# Allegro board arena_12-12_v5.brd (continued)
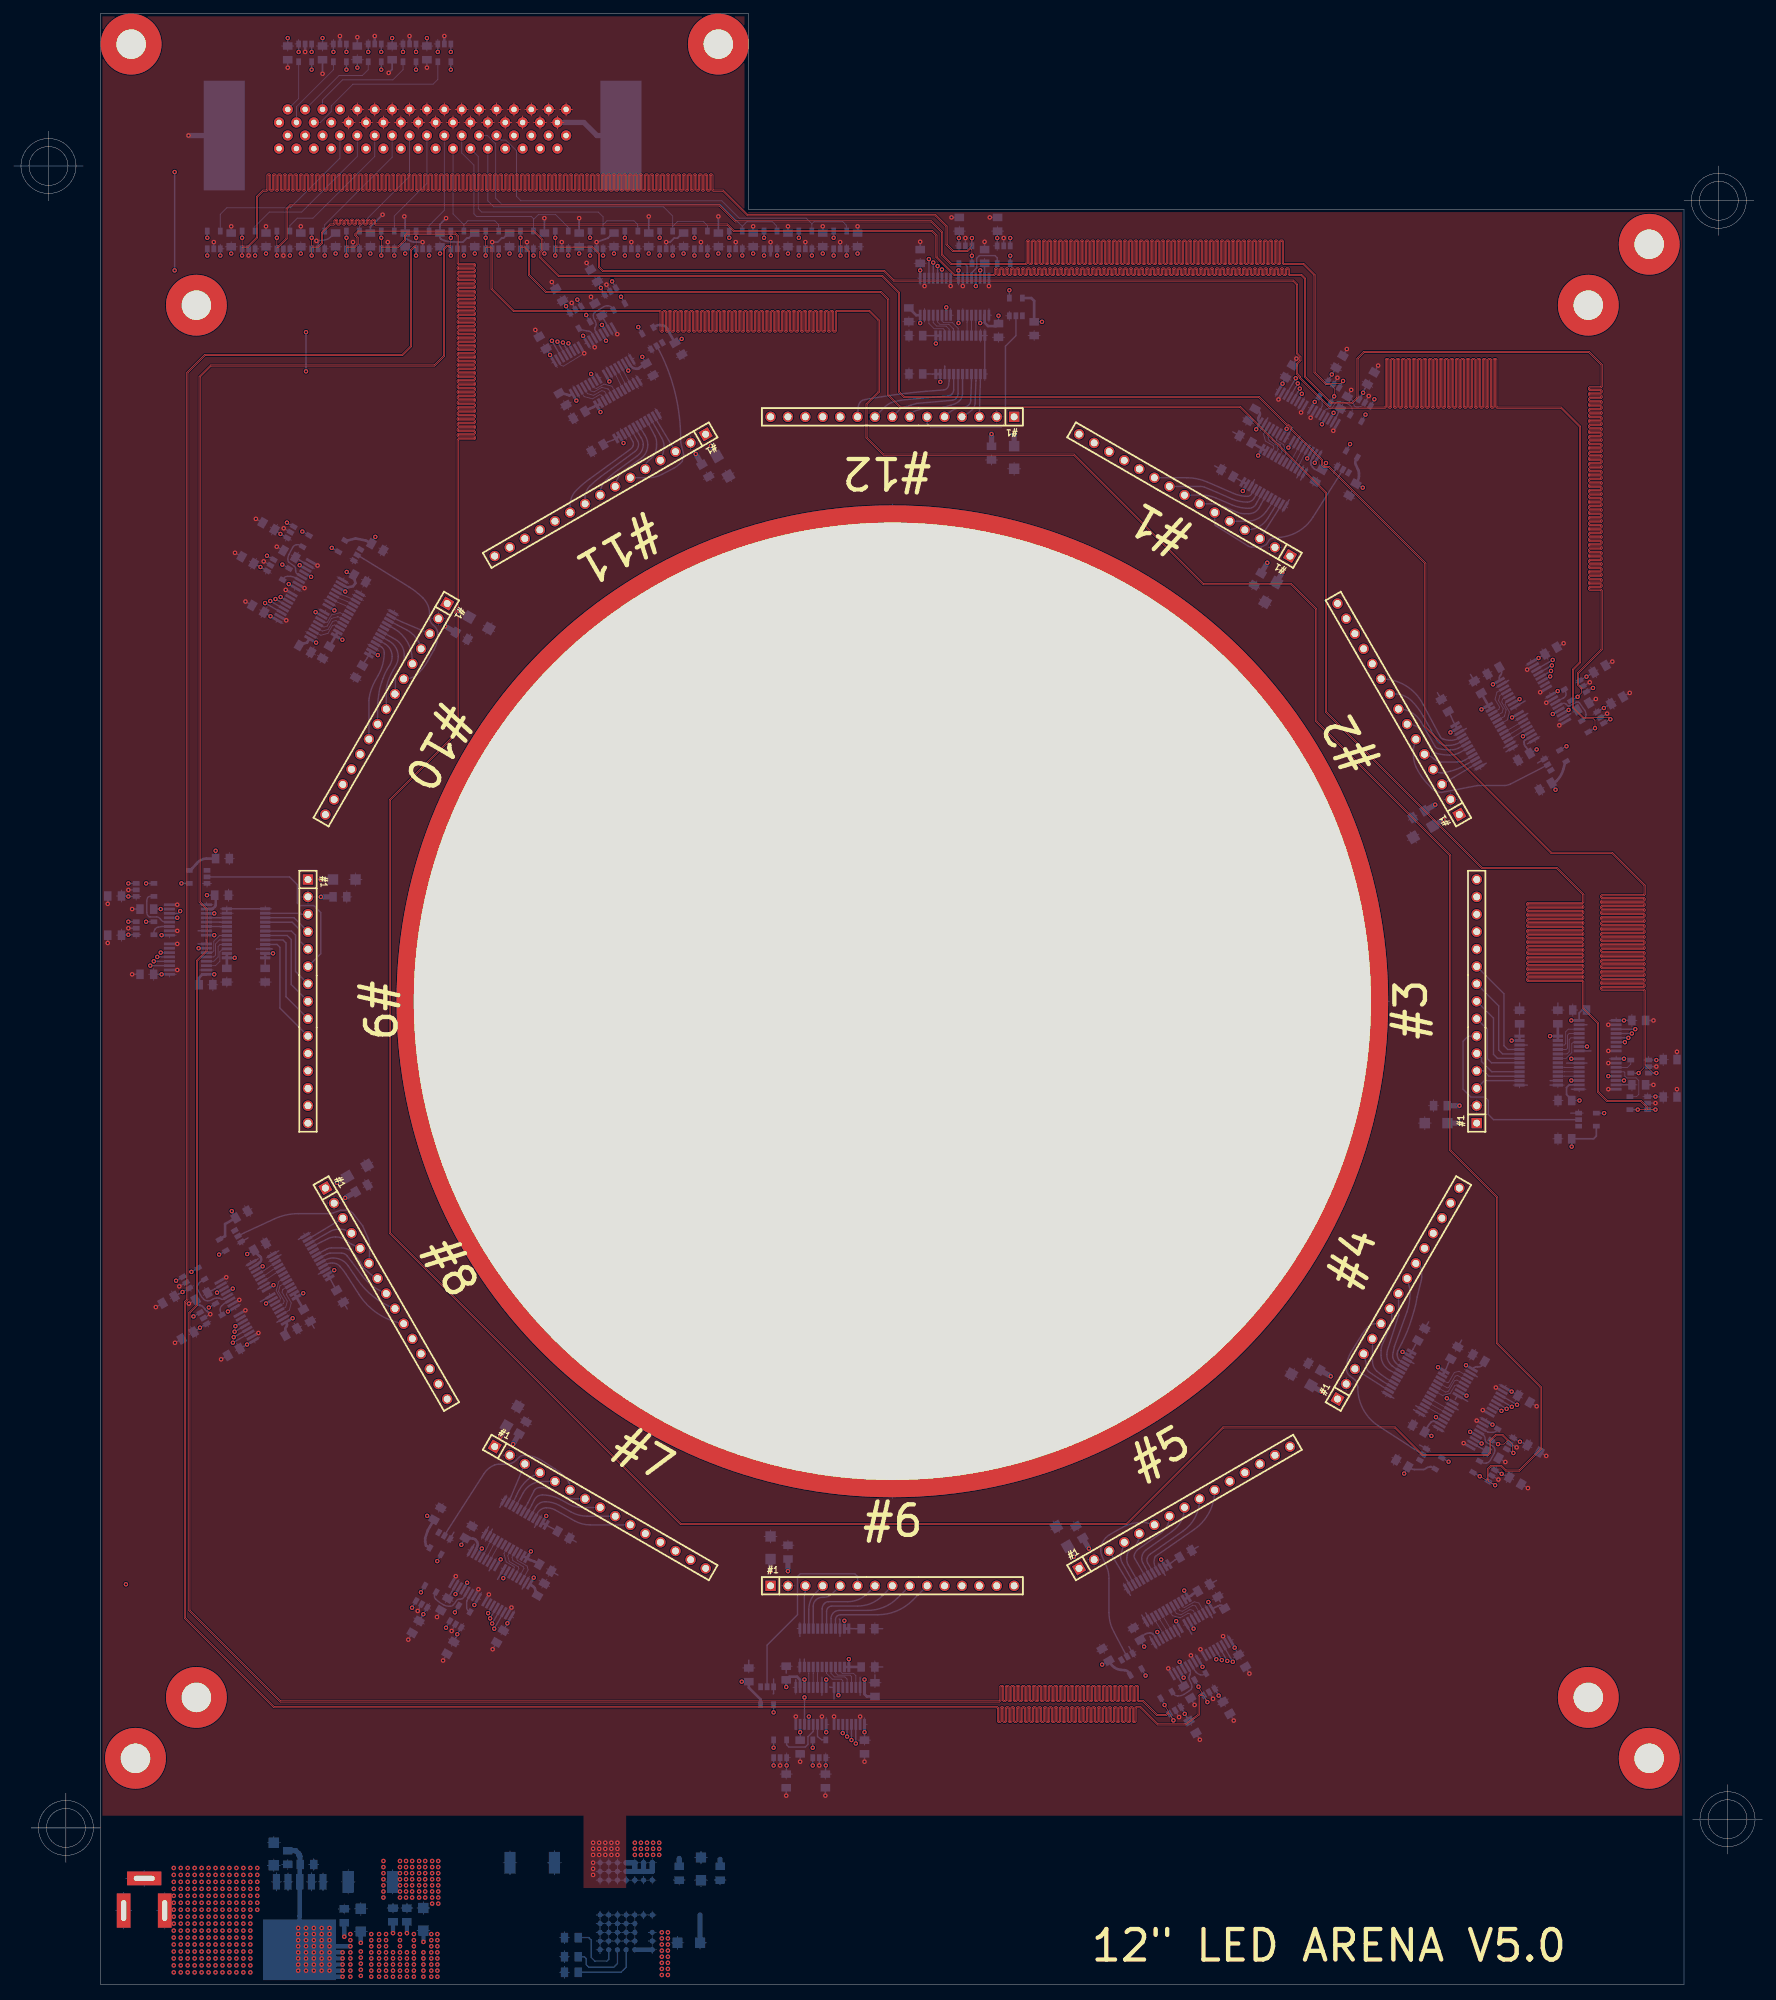
[diagram p0: board, top side]
## Routing (per net, layer and track width the routed paths; a pad name or vN(x,y) marks a point on that pad's centre or on a via; arc(x,y) is an arc through that point) (continued)
S3_P: length 475.9
  PWR w0.089: v1(99.38,254.95) 99.38,254.06 99.7,253.74 100.45,253.74 100.53,253.82 100.54,253.82 100.83,254.11 100.83,254.12 101.73,255.02 101.73,256.79 102.5,257.56 105.03,257.56 106.43,258.95 106.43,275.59 104.39,277.62 85.22,277.62 83.06,279.78 67.18,279.78 65.79,278.38 62.87,278.38 62.23,279.02 62.23,280.67 62.87,281.3 62.87,282.32 61.98,283.21 47.63,283.21 47.37,282.96 47.37,277.62 46.36,276.61 19.69,276.61 16.26,273.18 16.26,233.68 18.16,231.77 18.16,226.93 18.22,226.86 19.52,226.86 19.69,226.69 19.69,226.46 19.52,226.29 18.22,226.29 18.16,226.23 18.16,226.14 18.22,226.08 19.52,226.08 19.69,225.91 19.69,225.67 19.52,225.5 18.22,225.5 18.16,225.44 18.16,225.35 18.22,225.29 19.52,225.29 19.69,225.12 19.69,224.88 19.52,224.72 18.22,224.72 18.16,224.65 18.16,224.56 18.22,224.5 19.52,224.5 19.69,224.33 19.69,224.1 19.52,223.93 18.22,223.93 18.16,223.87 18.16,223.78 18.22,223.71 19.52,223.71 19.69,223.55 19.69,223.31 19.52,223.14 18.22,223.14 18.16,223.08 18.16,222.99 18.22,222.93 19.52,222.93 19.69,222.76 19.69,222.52 19.52,222.35 18.22,222.35 18.16,222.29 18.16,222.2 18.22,222.14 19.52,222.14 19.69,221.97 19.69,221.73 19.52,221.57 18.22,221.57 18.16,221.5 18.16,221.41 18.22,221.35 19.52,221.35 19.69,221.18 19.69,220.95 19.52,220.78 18.22,220.78 18.16,220.72 18.16,220.63 18.22,220.56 19.52,220.56 19.69,220.4 19.69,220.16 19.52,219.99 18.22,219.99 18.16,219.93 18.16,219.84 18.22,219.78 19.52,219.78 19.69,219.61 19.69,219.37 19.52,219.2 18.22,219.2 18.16,219.14 18.16,219.05 18.22,218.99 19.52,218.99 19.69,218.82 19.69,218.58 19.52,218.42 18.22,218.42 18.16,218.35 18.16,218.26 18.22,218.2 19.52,218.2 19.69,218.03 19.69,217.8 19.52,217.63 18.22,217.63 18.16,217.57 18.16,217.48 18.22,217.41 19.52,217.41 19.69,217.25 19.69,217.01 19.52,216.84 18.22,216.84 18.16,216.78 18.16,216.69 18.22,216.63 19.52,216.63 19.69,216.46 19.69,216.22 19.52,216.05 18.22,216.05 18.16,215.99 18.16,215.9 18.22,215.84 19.52,215.84 19.69,215.67 19.69,215.44 19.52,215.27 18.22,215.27 18.16,215.2 18.16,215.12 18.22,215.05 19.52,215.05 19.69,214.88 19.69,214.65 19.52,214.48 18.22,214.48 18.16,214.42 18.16,214.33 18.22,214.26 19.52,214.26 19.69,214.1 19.69,213.86 19.52,213.69 18.22,213.69 18.16,213.63 18.16,213.54 18.22,213.48 19.52,213.48 19.69,213.31 19.69,213.07 19.52,212.91 18.22,212.91 18.16,212.84 18.16,212.75 18.22,212.69 19.52,212.69 19.69,212.52 19.69,212.29 19.52,212.12 18.22,212.12 18.16,212.05 18.16,211.97 18.22,211.9 19.52,211.9 19.69,211.73 19.69,211.5 19.52,211.33 18.22,211.33 18.16,211.27 18.16,211.18 18.22,211.11 19.52,211.11 19.69,210.95 19.69,210.71 19.52,210.54 18.22,210.54 18.16,210.48 18.16,210.39 18.22,210.33 19.52,210.33 19.69,210.16 19.69,209.92 19.52,209.76 18.22,209.76 18.16,209.69 18.16,209.6 18.22,209.54 19.52,209.54 19.69,209.37 19.69,209.14 19.52,208.97 18.22,208.97 18.16,208.9 18.16,208.82 18.22,208.75 19.52,208.75 19.69,208.58 19.69,208.35 19.52,208.18 18.22,208.18 18.16,208.12 18.16,208.03 18.22,207.97 19.52,207.97 19.69,207.8 19.69,207.56 19.52,207.39 18.22,207.39 18.16,207.33 18.16,207.24 18.22,207.18 19.52,207.18 19.69,207.01 19.69,206.77 19.52,206.61 18.22,206.61 18.16,206.54 18.16,206.45 18.22,206.39 19.52,206.39 19.69,206.22 19.69,205.99 19.52,205.82 18.22,205.82 18.16,205.76 18.16,205.67 18.22,205.6 19.52,205.6 19.69,205.44 19.69,205.2 19.52,205.03 18.22,205.03 18.16,204.97 18.16,204.88 18.22,204.82 19.52,204.82 19.69,204.65 19.69,204.41 19.52,204.24 18.22,204.24 18.16,204.18 18.16,204.09 18.22,204.03 19.52,204.03 19.69,203.86 19.69,203.62 19.52,203.46 18.22,203.46 18.16,203.39 18.16,203.3 18.22,203.24 19.52,203.24 19.69,203.07 19.69,202.84 19.52,202.67 18.22,202.67 18.16,202.61 18.16,202.52 18.22,202.45 19.52,202.45 19.69,202.29 19.69,202.05 19.52,201.88 18.22,201.88 18.16,201.82 18.16,201.73 18.22,201.67 19.52,201.67 19.69,201.5 19.69,201.26 19.52,201.09 18.22,201.09 18.16,201.03 18.16,200.94 18.22,200.88 19.52,200.88 19.69,200.71 19.69,200.47 19.52,200.31 18.22,200.31 18.16,200.24 18.16,200.15 18.22,200.09 19.52,200.09 19.69,199.92 19.69,199.69 19.52,199.52 18.22,199.52 18.16,199.46 18.16,199.37 18.22,199.3 19.52,199.3 19.69,199.14 19.69,198.9 19.52,198.73 18.22,198.73 18.16,198.67 18.16,198.58 18.22,198.52 19.52,198.52 19.69,198.35 19.69,198.11 19.52,197.94 18.22,197.94 18.16,197.88 18.16,197.79 18.22,197.73 19.52,197.73 19.69,197.56 19.69,197.32 19.52,197.16 18.22,197.16 18.16,197.09 18.16,197 18.22,196.94 19.52,196.94 19.69,196.77 19.69,196.54 19.52,196.37 18.22,196.37 18.16,196.31 18.16,196.22 18.22,196.15 19.52,196.15 19.69,195.99 19.69,195.75 19.52,195.58 18.22,195.58 18.16,195.52 18.16,195.43 18.22,195.37 19.52,195.37 19.69,195.2 19.69,194.96 19.52,194.8 18.22,194.8 18.16,194.73 18.16,194.64 18.22,194.58 19.52,194.58 19.69,194.41 19.69,194.18 19.52,194.01 18.22,194.01 18.16,193.94 18.16,193.86 18.22,193.79 19.52,193.79 19.69,193.62 19.69,193.39 19.52,193.22 18.22,193.22 18.16,193.16 18.16,193.07 18.22,193 19.52,193 19.69,192.84 19.69,192.6 19.52,192.43 18.22,192.43 18.16,192.37 18.16,192.28 18.22,192.22 19.52,192.22 19.69,192.05 19.69,191.81 19.52,191.65 18.22,191.65 18.16,191.58 18.16,191.49 18.22,191.43 19.52,191.43 19.69,191.26 19.69,191.03 19.52,190.86 18.22,190.86 18.16,190.79 18.16,190.71 18.22,190.64 19.52,190.64 19.69,190.47 19.69,190.24 19.52,190.07 18.22,190.07 18.16,190.01 18.16,189.92 18.22,189.85 19.52,189.85 19.69,189.69 19.69,189.45 19.52,189.28 18.22,189.28 18.16,189.22 18.16,189.13 18.22,189.07 19.52,189.07 19.69,188.9 19.69,188.66 19.52,188.5 18.22,188.5 18.16,188.43 18.16,188.34 18.22,188.28 19.52,188.28 19.69,188.11 19.69,187.88 19.52,187.71 18.22,187.71 18.16,187.65 18.16,187.56 18.22,187.49 19.52,187.49 19.69,187.32 19.69,187.09 19.52,186.92 18.22,186.92 18.16,186.86 18.16,186.77 18.22,186.71 19.52,186.71 19.69,186.54 19.69,186.3 19.52,186.13 18.22,186.13 18.16,186.07 18.16,185.98 18.22,185.92 19.52,185.92 19.69,185.75 19.69,185.51 19.52,185.35 18.22,185.35 18.16,185.28 18.16,185.19 18.22,185.13 19.52,185.13 19.69,184.96 19.69,184.73 19.52,184.56 18.22,184.56 18.16,184.5 18.16,184.41 18.22,184.34 19.52,184.34 19.69,184.18 19.69,183.94 19.52,183.77 18.22,183.77 18.16,183.71 18.16,183.62 18.22,183.56 19.52,183.56 19.69,183.39 19.69,183.15 19.52,182.98 18.22,182.98 18.16,182.92 18.16,182.83 18.22,182.77 19.52,182.77 19.69,182.6 19.69,182.36 19.52,182.2 18.22,182.2 18.16,182.13 18.16,182.04 18.22,181.98 19.52,181.98 19.69,181.81 19.69,181.58 19.52,181.41 18.22,181.41 18.16,181.35 18.16,181.26 18.22,181.19 19.52,181.19 19.69,181.03 19.69,180.79 19.52,180.62 18.22,180.62 18.16,180.56 18.16,180.47 18.22,180.41 19.52,180.41 19.69,180.24 19.69,180 19.52,179.83 18.22,179.83 18.16,179.77 18.16,179.68 18.22,179.62 19.52,179.62 19.69,179.45 19.69,179.21 19.52,179.05 18.22,179.05 18.16,178.98 18.16,178.89 18.22,178.83 19.52,178.83 19.69,178.66 19.69,178.43 19.52,178.26 18.22,178.26 18.16,178.2 18.16,178.11 18.22,178.04 19.52,178.04 19.69,177.88 19.69,177.64 19.52,177.47 18.22,177.47 18.16,177.41 18.16,177.32 18.22,177.26 19.52,177.26 19.69,177.09 19.69,176.85 19.52,176.68 18.22,176.68 18.16,176.62 18.16,176.53 18.22,176.47 19.52,176.47 19.69,176.3 19.69,176.07 19.52,175.9 18.22,175.9 18.16,175.83 18.16,175.75 18.22,175.68 19.52,175.68 19.69,175.51 19.69,175.28 19.52,175.11 18.22,175.11 18.16,175.05 18.16,174.96 18.22,174.89 19.52,174.89 19.69,174.73 19.69,174.49 19.52,174.32 18.22,174.32 18.16,174.26 18.16,174.17 18.22,174.11 19.52,174.11 19.69,173.94 19.69,173.7 19.52,173.54 18.22,173.54 18.16,173.47 18.16,173.38 18.22,173.32 19.52,173.32 19.69,173.15 19.69,172.92 19.52,172.75 18.22,172.75 18.16,172.68 18.16,172.6 18.22,172.53 19.52,172.53 19.69,172.36 19.69,172.13 19.52,171.96 18.22,171.96 18.16,171.9 18.16,171.81 18.22,171.74 19.52,171.74 19.69,171.58 19.69,171.34 19.52,171.17 18.22,171.17 18.16,171.11 18.16,171.02 18.22,170.96 19.52,170.96 19.69,170.79 19.69,170.55 19.52,170.39 18.22,170.39 18.16,170.32 18.16,170.23 18.22,170.17 19.52,170.17 19.69,170 19.69,169.77 19.52,169.6 18.22,169.6 18.16,169.53 18.16,169.45 18.22,169.38 19.52,169.38 19.69,169.21 19.69,168.98 19.52,168.81 18.22,168.81 18.16,168.75 18.16,168.66 18.22,168.6 19.52,168.6 19.69,168.43 19.69,168.19 19.52,168.02 18.22,168.02 18.16,167.96 18.16,167.87 18.22,167.81 19.52,167.81 19.69,167.64 19.69,167.4 19.52,167.24 18.22,167.24 18.16,167.17 18.16,167.08 18.22,167.02 19.52,167.02 19.69,166.85 19.69,166.62 19.52,166.45 18.22,166.45 18.16,166.39 18.16,166.3 18.22,166.23 19.52,166.23 19.69,166.07 19.69,165.83 19.52,165.66 18.22,165.66 18.16,165.6 18.16,165.51 18.22,165.45 19.52,165.45 19.69,165.28 19.69,165.04 19.52,164.87 18.22,164.87 18.16,164.81 18.16,162.81 18.54,162.43 20.32,162.43 20.96,161.8 20.96,159.64 20.57,159.26 18.54,159.26 18.29,159.51 18.29,160.15 17.72,160.72 v1(16.74,160.72)
  BOTTOM w0.203: U56.3 v1(16.74,160.72) ; U55.4 v1(99.38,254.95)
S4_N: length 457.7
  PWR w0.089: v1(109.54,252.36) 109.54,253.17 109.22,253.49 107.69,253.49 107.04,252.84 107.04,226.64 107.1,226.58 128.1,226.58 128.27,226.41 128.27,226.17 128.1,226 107.1,226 107.04,225.94 107.04,225.85 107.1,225.79 128.1,225.79 128.27,225.62 128.27,225.38 128.1,225.22 107.1,225.22 107.04,225.15 107.04,225.06 107.1,225 128.1,225 128.27,224.83 128.27,224.6 128.1,224.43 107.1,224.43 107.04,224.37 107.04,224.28 107.1,224.21 128.1,224.21 128.27,224.05 128.27,223.81 128.1,223.64 107.1,223.64 107.04,223.58 107.04,223.49 107.1,223.43 128.1,223.43 128.27,223.26 128.27,223.02 128.1,222.85 107.1,222.85 107.04,222.79 107.04,222.7 107.1,222.64 128.1,222.64 128.27,222.47 128.27,222.23 128.1,222.07 107.1,222.07 107.04,222 107.04,221.91 107.1,221.85 128.1,221.85 128.27,221.68 128.27,221.45 128.1,221.28 107.1,221.28 107.04,221.22 107.04,221.13 107.1,221.06 128.1,221.06 128.27,220.9 128.27,220.66 128.1,220.49 107.1,220.49 107.04,220.43 107.04,217.99 105.13,216.07 98.21,216.07 86.81,204.67 63.93,204.67 52.5,216.1 43.25,216.1 41.22,214.07 41.22,212.9 41.2,212.86 41.14,212.76 41.17,212.64 v1(42.14,212.07)
  BOTTOM w0.203: 43.13,211.5 v1(42.14,212.07) ; U57.3 v1(109.54,252.36)
S4_P: length 458
  PWR w0.089: v1(39.89,213.37) 40.86,212.81 40.98,212.84 40.99,212.85 41.05,212.95 41.05,214.15 43.18,216.28 52.58,216.28 64.01,204.85 86.73,204.85 98.13,216.25 105.05,216.25 106.86,218.06 106.86,220.5 107.03,220.67 128.03,220.67 128.09,220.73 128.09,220.82 128.03,220.89 107.03,220.89 106.86,221.05 106.86,221.29 107.03,221.46 128.03,221.46 128.09,221.52 128.09,221.61 128.03,221.67 107.03,221.67 106.86,221.84 106.86,222.08 107.03,222.24 128.03,222.24 128.09,222.31 128.09,222.4 128.03,222.46 107.03,222.46 106.86,222.63 106.86,222.86 107.03,223.03 128.03,223.03 128.09,223.1 128.09,223.18 128.03,223.25 107.03,223.25 106.86,223.42 106.86,223.65 107.03,223.82 128.03,223.82 128.09,223.88 128.09,223.97 128.03,224.04 107.03,224.04 106.86,224.2 106.86,224.44 107.03,224.61 128.03,224.61 128.09,224.67 128.09,224.76 128.03,224.82 107.03,224.82 106.86,224.99 106.86,225.23 107.03,225.39 128.03,225.39 128.09,225.46 128.09,225.55 128.03,225.61 107.03,225.61 106.86,225.78 106.86,226.01 107.03,226.18 128.03,226.18 128.09,226.25 128.09,226.33 128.03,226.4 107.03,226.4 106.86,226.57 106.86,252.91 107.69,253.74 109.22,253.74 109.54,254.07 v1(109.54,254.95)
  BOTTOM w0.203: U58.3 v1(39.89,213.37) ; U57.4 v1(109.54,254.95)
S5_N: length 474.4
  PWR w0.089: v1(104.46,252.36) 104.46,253.3 104.19,253.57 103.07,253.57 102.37,252.86 102.37,249.94 101.8,249.38 96.49,249.38 96.43,249.31 96.43,248.68 96.49,248.62 106,248.62 106.17,248.45 106.17,248.21 106,248.04 96.49,248.04 96.43,247.98 96.43,247.89 96.49,247.83 106,247.83 106.17,247.66 106.17,247.42 106,247.26 96.49,247.26 96.43,247.19 96.43,247.1 96.49,247.04 106,247.04 106.17,246.87 106.17,246.64 106,246.47 96.49,246.47 96.43,246.41 96.43,246.32 96.49,246.25 106,246.25 106.17,246.09 106.17,245.85 106,245.68 96.49,245.68 96.43,245.62 96.43,245.53 96.49,245.47 106,245.47 106.17,245.3 106.17,245.06 106,244.89 96.49,244.89 96.43,244.83 96.43,244.74 96.49,244.68 106,244.68 106.17,244.51 106.17,244.27 106,244.11 96.49,244.11 96.43,244.04 96.43,243.95 96.49,243.89 106,243.89 106.17,243.72 106.17,243.49 106,243.32 96.49,243.32 96.43,243.26 96.43,243.17 96.49,243.1 106,243.1 106.17,242.94 106.17,242.7 106,242.53 96.49,242.53 96.43,242.47 96.43,242.38 96.49,242.32 106,242.32 106.17,242.15 106.17,241.91 106,241.74 96.49,241.74 96.43,241.68 96.43,241.59 96.49,241.53 106,241.53 106.17,241.36 106.17,241.12 106,240.96 104.53,240.96 104.47,240.89 104.47,240.07 104.3,239.9 104.07,239.9 103.9,240.07 103.9,240.89 103.84,240.96 103.75,240.96 103.68,240.89 103.68,240.07 103.52,239.9 103.28,239.9 103.11,240.07 103.11,240.89 103.05,240.96 102.96,240.96 102.9,240.89 102.9,240.07 102.73,239.9 102.49,239.9 102.32,240.07 102.32,240.89 102.26,240.96 102.17,240.96 102.11,240.89 102.11,240.07 101.94,239.9 101.7,239.9 101.54,240.07 101.54,240.89 101.47,240.96 101.38,240.96 101.32,240.89 101.32,240.07 101.15,239.9 100.92,239.9 100.75,240.07 100.75,240.89 100.69,240.96 100.6,240.96 100.53,240.89 100.53,240.07 100.37,239.9 100.13,239.9 99.96,240.07 99.96,240.89 99.9,240.96 99.81,240.96 99.75,240.89 99.75,240.07 99.58,239.9 99.34,239.9 99.17,240.07 99.17,240.89 99.11,240.96 99.02,240.96 98.96,240.89 98.96,240.07 98.79,239.9 98.55,239.9 98.39,240.07 98.39,240.89 98.32,240.96 96.51,240.96 96.44,240.89 96.44,225.1 96.26,224.92 96.03,224.92 95.86,225.08 95.86,249.31 95.8,249.38 95.71,249.38 95.64,249.31 95.64,225.08 95.48,224.92 95.24,224.92 95.07,225.08 95.07,249.31 95.01,249.38 94.92,249.38 94.86,249.31 94.86,225.08 94.69,224.92 94.45,224.92 94.28,225.08 94.28,249.31 94.22,249.38 94.13,249.38 94.07,249.31 94.07,225.08 93.9,224.92 93.67,224.92 93.5,225.08 93.5,249.31 93.43,249.38 93.35,249.38 93.28,249.31 93.28,225.08 93.11,224.92 92.88,224.92 92.71,225.08 92.71,249.31 92.65,249.38 90.5,249.38 88.64,247.52 88.64,246.35 v1(88.66,246.34)
  BOTTOM w0.203: U59.3 v1(104.46,252.36) ; U60.4 v1(88.66,246.34)
S5_P: length 474.9
  PWR w0.089: v1(87.36,248.59) 88.3,247.65 88.52,247.65 90.42,249.56 92.72,249.56 92.89,249.39 92.89,225.16 92.95,225.09 93.04,225.09 93.1,225.16 93.1,249.39 93.27,249.56 93.51,249.56 93.68,249.39 93.68,225.16 93.74,225.09 93.83,225.09 93.89,225.16 93.89,249.39 94.06,249.56 94.29,249.56 94.46,249.39 94.46,225.16 94.53,225.09 94.62,225.09 94.68,225.16 94.68,249.39 94.85,249.56 95.08,249.56 95.25,249.39 95.25,225.16 95.31,225.09 95.4,225.09 95.47,225.16 95.47,249.39 95.63,249.56 95.87,249.56 96.04,249.39 96.04,225.16 96.1,225.09 96.19,225.09 96.27,225.17 96.27,240.97 96.43,241.13 98.4,241.13 98.56,240.97 98.56,240.14 98.63,240.08 98.72,240.08 98.78,240.14 98.78,240.97 98.95,241.13 99.18,241.13 99.35,240.97 99.35,240.14 99.42,240.08 99.5,240.08 99.57,240.14 99.57,240.97 99.74,241.13 99.97,241.13 100.14,240.97 100.14,240.14 100.2,240.08 100.29,240.08 100.36,240.14 100.36,240.97 100.52,241.13 100.76,241.13 100.93,240.97 100.93,240.14 100.99,240.08 101.08,240.08 101.14,240.14 101.14,240.97 101.31,241.13 101.55,241.13 101.71,240.97 101.71,240.14 101.78,240.08 101.87,240.08 101.93,240.14 101.93,240.97 102.1,241.13 102.33,241.13 102.5,240.97 102.5,240.14 102.57,240.08 102.65,240.08 102.72,240.14 102.72,240.97 102.89,241.13 103.12,241.13 103.29,240.97 103.29,240.14 103.35,240.08 103.44,240.08 103.51,240.14 103.51,240.97 103.67,241.13 103.91,241.13 104.08,240.97 104.08,240.14 104.14,240.08 104.23,240.08 104.29,240.14 104.29,240.97 104.46,241.13 105.93,241.13 105.99,241.2 105.99,241.29 105.93,241.35 96.42,241.35 96.25,241.52 96.25,241.75 96.42,241.92 105.93,241.92 105.99,241.99 105.99,242.07 105.93,242.14 96.42,242.14 96.25,242.31 96.25,242.54 96.42,242.71 105.93,242.71 105.99,242.77 105.99,242.86 105.93,242.93 96.42,242.93 96.25,243.09 96.25,243.33 96.42,243.5 105.93,243.5 105.99,243.56 105.99,243.65 105.93,243.71 96.42,243.71 96.25,243.88 96.25,244.12 96.42,244.28 105.93,244.28 105.99,244.35 105.99,244.44 105.93,244.5 96.42,244.5 96.25,244.67 96.25,244.9 96.42,245.07 105.93,245.07 105.99,245.14 105.99,245.22 105.93,245.29 96.42,245.29 96.25,245.46 96.25,245.69 96.42,245.86 105.93,245.86 105.99,245.92 105.99,246.01 105.93,246.08 96.42,246.08 96.25,246.24 96.25,246.48 96.42,246.65 105.93,246.65 105.99,246.71 105.99,246.8 105.93,246.86 96.42,246.86 96.25,247.03 96.25,247.27 96.42,247.43 105.93,247.43 105.99,247.5 105.99,247.59 105.93,247.65 96.42,247.65 96.25,247.82 96.25,248.05 96.42,248.22 105.93,248.22 105.99,248.28 105.99,248.37 105.93,248.44 96.42,248.44 96.25,248.61 96.25,249.39 96.42,249.56 101.73,249.56 102.19,250.02 102.19,252.94 103,253.74 104.14,253.74 104.46,254.07 v1(104.46,254.95)
  BOTTOM w0.203: U59.4 v1(104.46,254.95) ; U60.3 v1(87.36,248.59)
S6_N: length 465.7
  PWR w0.089: v1(84.14,252.36) 84.14,253.48 84.23,253.57 85.92,253.57 86.54,254.18 86.54,255.7 87.45,256.62 97.46,256.62 98.37,255.7 98.37,251.51 98.99,250.9 99.77,250.9 100.25,251.39 100.25,252.28 104.34,256.36 106.98,256.36 107.74,257.12 108.16,257.12 108.92,256.36 111.18,256.36 111.96,255.58 111.96,241.48 112.83,240.61 113.16,240.61 113.32,240.78 113.32,248.55 113.39,248.62 113.48,248.62 113.54,248.55 113.54,240.78 113.71,240.61 113.94,240.61 114.11,240.78 114.11,248.55 114.18,248.62 114.26,248.62 114.33,248.55 114.33,240.78 114.5,240.61 114.73,240.61 114.9,240.78 114.9,248.55 114.96,248.62 115.05,248.62 115.12,248.55 115.12,240.78 115.28,240.61 115.52,240.61 115.69,240.78 115.69,248.55 115.75,248.62 115.84,248.62 115.9,248.55 115.9,240.78 116.07,240.61 116.31,240.61 116.47,240.78 116.47,248.55 116.54,248.62 116.63,248.62 116.69,248.55 116.69,240.78 116.86,240.61 117.09,240.61 117.26,240.78 117.26,248.55 117.33,248.62 117.41,248.62 117.48,248.55 117.48,240.78 117.65,240.61 117.88,240.61 118.05,240.78 118.05,248.55 118.11,248.62 118.2,248.62 118.26,248.55 118.26,240.78 118.43,240.61 118.67,240.61 118.84,240.78 118.84,248.55 118.9,248.62 118.99,248.62 119.05,248.55 119.05,240.78 119.22,240.61 119.46,240.61 119.62,240.78 119.62,248.55 119.69,248.62 119.78,248.62 119.84,248.55 119.84,240.78 120.01,240.61 120.24,240.61 120.41,240.78 120.41,248.55 120.47,248.62 120.56,248.62 120.63,248.55 120.63,240.78 120.79,240.61 121.03,240.61 121.2,240.78 121.2,248.55 121.26,248.62 121.35,248.62 121.41,248.55 121.41,240.78 121.58,240.61 121.82,240.61 121.99,240.78 121.99,248.55 122.05,248.62 122.14,248.62 122.2,248.55 122.2,240.78 122.37,240.61 122.61,240.61 122.77,240.78 122.77,248.55 122.84,248.62 122.93,248.62 122.99,248.55 122.99,240.78 123.16,240.61 123.39,240.61 123.56,240.78 123.56,248.55 123.62,248.62 123.71,248.62 123.78,248.55 123.78,240.78 123.94,240.61 124.18,240.61 124.35,240.78 124.35,248.55 124.41,248.62 124.5,248.62 124.56,248.55 124.56,240.78 124.73,240.61 124.97,240.61 125.14,240.78 125.14,248.55 125.2,248.62 125.29,248.62 125.35,248.55 125.35,240.78 125.52,240.61 125.76,240.61 125.92,240.78 125.92,248.55 125.99,248.62 126.08,248.62 126.14,248.55 126.14,240.78 126.31,240.61 126.54,240.61 126.71,240.78 126.71,248.55 126.77,248.62 126.86,248.62 126.93,248.55 126.93,240.78 127.09,240.61 127.33,240.61 127.5,240.78 127.5,248.55 127.56,248.62 127.65,248.62 127.71,248.55 127.71,240.78 127.88,240.61 128.12,240.61 128.29,240.78 128.29,248.55 128.35,248.62 128.44,248.62 128.5,248.55 128.5,240.78 128.67,240.61 128.91,240.61 129.07,240.78 129.07,248.55 129.14,248.62 129.23,248.62 129.29,248.55 129.29,240.78 129.46,240.61 129.69,240.61 129.86,240.78 129.86,248.55 129.92,248.62 130.01,248.62 130.08,248.55 130.08,240.78 130.24,240.61 130.48,240.61 130.65,240.78 130.65,248.55 130.71,248.62 130.8,248.62 130.86,248.55 130.86,240.78 131.03,240.61 143.97,240.61 146.1,242.75 146.1,249.37 144.45,251.03 144.45,252.97 144.54,253.06 145.29,253.06 145.48,252.87 v1(145.48,252.32)
  BOTTOM w0.203: U62.4 v1(145.48,252.32) ; U61.3 v1(84.14,252.36)
S6_P: length 466.6
  PWR w0.089: v1(145.48,254.91) 145.48,253.43 145.29,253.24 144.47,253.24 144.27,253.04 144.27,250.95 145.92,249.3 145.92,242.82 143.9,240.79 131.1,240.79 131.04,240.86 131.04,248.63 130.87,248.79 130.64,248.79 130.47,248.63 130.47,240.86 130.41,240.79 130.32,240.79 130.25,240.86 130.25,248.63 130.09,248.79 129.85,248.79 129.68,248.63 129.68,240.86 129.62,240.79 129.53,240.79 129.47,240.86 129.47,248.63 129.3,248.79 129.06,248.79 128.89,248.63 128.89,240.86 128.83,240.79 128.74,240.79 128.68,240.86 128.68,248.63 128.51,248.79 128.28,248.79 128.11,248.63 128.11,240.86 128.04,240.79 127.96,240.79 127.89,240.86 127.89,248.63 127.72,248.79 127.49,248.79 127.32,248.63 127.32,240.86 127.26,240.79 127.17,240.79 127.1,240.86 127.1,248.63 126.94,248.79 126.7,248.79 126.53,248.63 126.53,240.86 126.47,240.79 126.38,240.79 126.32,240.86 126.32,248.63 126.15,248.79 125.91,248.79 125.75,248.63 125.75,240.86 125.68,240.79 125.59,240.79 125.53,240.86 125.53,248.63 125.36,248.79 125.13,248.79 124.96,248.63 124.96,240.86 124.89,240.79 124.81,240.79 124.74,240.86 124.74,248.63 124.57,248.79 124.34,248.79 124.17,248.63 124.17,240.86 124.11,240.79 124.02,240.79 123.95,240.86 123.95,248.63 123.79,248.79 123.55,248.79 123.38,248.63 123.38,240.86 123.32,240.79 123.23,240.79 123.17,240.86 123.17,248.63 123,248.79 122.76,248.79 122.6,248.63 122.6,240.86 122.53,240.79 122.44,240.79 122.38,240.86 122.38,248.63 122.21,248.79 121.98,248.79 121.81,248.63 121.81,240.86 121.74,240.79 121.66,240.79 121.59,240.86 121.59,248.63 121.42,248.79 121.19,248.79 121.02,248.63 121.02,240.86 120.96,240.79 120.87,240.79 120.8,240.86 120.8,248.63 120.64,248.79 120.4,248.79 120.23,248.63 120.23,240.86 120.17,240.79 120.08,240.79 120.02,240.86 120.02,248.63 119.85,248.79 119.61,248.79 119.45,248.63 119.45,240.86 119.38,240.79 119.29,240.79 119.23,240.86 119.23,248.63 119.06,248.79 118.83,248.79 118.66,248.63 118.66,240.86 118.6,240.79 118.51,240.79 118.44,240.86 118.44,248.63 118.28,248.79 118.04,248.79 117.87,248.63 117.87,240.86 117.81,240.79 117.72,240.79 117.66,240.86 117.66,248.63 117.49,248.79 117.25,248.79 117.08,248.63 117.08,240.86 117.02,240.79 116.93,240.79 116.87,240.86 116.87,248.63 116.7,248.79 116.46,248.79 116.3,248.63 116.3,240.86 116.23,240.79 116.14,240.79 116.08,240.86 116.08,248.63 115.91,248.79 115.68,248.79 115.51,248.63 115.51,240.86 115.45,240.79 115.36,240.79 115.29,240.86 115.29,248.63 115.13,248.79 114.89,248.79 114.72,248.63 114.72,240.86 114.66,240.79 114.57,240.79 114.51,240.86 114.51,248.63 114.34,248.79 114.1,248.79 113.93,248.63 113.93,240.86 113.87,240.79 113.78,240.79 113.72,240.86 113.72,248.63 113.55,248.79 113.31,248.79 113.15,248.63 113.15,240.86 113.08,240.79 112.9,240.79 112.14,241.55 112.14,255.65 111.25,256.54 108.99,256.54 108.23,257.3 107.67,257.3 106.91,256.54 104.27,256.54 100.08,252.35 100.08,251.46 99.7,251.08 99.06,251.08 98.55,251.59 98.55,255.78 97.54,256.79 87.38,256.79 86.36,255.78 86.36,254.25 85.85,253.74 84.23,253.74 84.14,253.83 v1(84.14,254.95)
  BOTTOM w0.203: U62.3 v1(145.48,254.91) ; U61.4 v1(84.14,254.95)
S7_N: length 482.8
  PWR w0.089: v1(89.22,252.36) 89.22,253.18 89.61,253.57 91.26,253.57 92.13,254.43 92.13,255.45 92.4,255.73 96.57,255.73 97.49,254.82 97.49,253.82 96.85,253.18 96.85,250.37 97.34,249.89 100.4,249.89 100.78,250.26 100.78,250.89 101.96,252.08 101.96,253.42 104.33,255.79 110.1,255.79 110.74,255.15 110.74,254.78 110.99,254.53 110.99,254.11 110.74,253.86 110.74,251.72 110.68,251.66 107.61,251.66 107.44,251.49 107.44,251.25 107.61,251.08 110.7,251.08 110.76,251.02 110.76,250.93 110.7,250.87 107.61,250.87 107.44,250.7 107.44,250.46 107.61,250.3 110.7,250.3 110.76,250.23 110.76,250.14 110.7,250.08 107.61,250.08 107.44,249.91 107.44,249.68 107.61,249.51 110.7,249.51 110.76,249.45 110.76,249.36 110.7,249.29 107.61,249.29 107.44,249.13 107.44,248.89 107.61,248.72 110.7,248.72 110.76,248.66 110.76,248.57 110.7,248.51 107.61,248.51 107.44,248.34 107.44,248.1 107.61,247.93 110.7,247.93 110.76,247.87 110.76,247.78 110.7,247.72 107.61,247.72 107.44,247.55 107.44,247.31 107.61,247.15 110.7,247.15 110.76,247.08 110.76,246.99 110.7,246.93 107.61,246.93 107.44,246.76 107.44,246.53 107.61,246.36 110.7,246.36 110.76,246.3 110.76,246.21 110.7,246.14 107.61,246.14 107.44,245.98 107.44,245.74 107.61,245.57 110.7,245.57 110.76,245.51 110.76,245.42 110.7,245.36 107.61,245.36 107.44,245.19 107.44,244.95 107.61,244.78 110.7,244.78 110.76,244.72 110.76,244.63 110.7,244.57 107.61,244.57 107.44,244.4 107.44,244.17 107.61,244 110.7,244 110.76,243.93 110.76,243.85 110.7,243.78 107.61,243.78 107.44,243.61 107.44,243.38 107.61,243.21 110.7,243.21 110.76,243.15 110.76,243.06 110.7,242.99 107.61,242.99 107.44,242.83 107.44,242.59 107.61,242.42 110.7,242.42 110.76,242.36 110.76,242.27 110.7,242.21 107.61,242.21 107.44,242.04 107.44,241.8 107.61,241.64 110.7,241.64 110.76,241.57 110.76,241.29 112.02,240.02 112.73,240.02 112.79,239.96 112.79,239.05 112.96,238.89 113.19,238.89 113.36,239.05 113.36,239.96 113.42,240.02 113.51,240.02 113.58,239.96 113.58,239.05 113.74,238.89 113.98,238.89 114.15,239.05 114.15,239.96 114.21,240.02 114.3,240.02 114.36,239.96 114.36,239.05 114.53,238.89 114.77,238.89 114.94,239.05 114.94,239.96 115,240.02 115.09,240.02 115.15,239.96 115.15,239.05 115.32,238.89 115.55,238.89 115.72,239.05 115.72,239.96 115.79,240.02 115.87,240.02 115.94,239.96 115.94,239.05 116.11,238.89 116.34,238.89 116.51,239.05 116.51,239.96 116.57,240.02 116.66,240.02 116.73,239.96 116.73,239.05 116.89,238.89 117.13,238.89 117.3,239.05 117.3,239.96 117.36,240.02 117.45,240.02 117.51,239.96 117.51,239.05 117.68,238.89 117.92,238.89 118.08,239.05 118.08,239.96 118.15,240.02 118.24,240.02 118.3,239.96 118.3,239.05 118.47,238.89 118.7,238.89 118.87,239.05 118.87,239.96 118.94,240.02 119.02,240.02 119.09,239.96 119.09,239.05 119.26,238.89 119.49,238.89 119.66,239.05 119.66,239.96 119.72,240.02 119.81,240.02 119.88,239.96 119.88,239.05 120.04,238.89 120.28,238.89 120.45,239.05 120.45,239.96 120.51,240.02 120.6,240.02 120.66,239.96 120.66,239.05 120.83,238.89 121.07,238.89 121.23,239.05 121.23,239.96 121.3,240.02 121.39,240.02 121.45,239.96 121.45,239.05 121.62,238.89 121.85,238.89 122.02,239.05 122.02,239.96 122.09,240.02 122.17,240.02 122.24,239.96 122.24,239.05 122.41,238.89 122.64,238.89 122.81,239.05 122.81,239.96 122.87,240.02 122.96,240.02 123.02,239.96 123.02,239.05 123.19,238.89 123.43,238.89 123.6,239.05 123.6,239.96 123.66,240.02 123.75,240.02 123.81,239.96 123.81,239.05 123.98,238.89 124.22,238.89 124.38,239.05 124.38,239.96 124.45,240.02 124.54,240.02 124.6,239.96 124.6,239.05 124.77,238.89 125,238.89 125.17,239.05 125.17,239.96 125.23,240.02 125.32,240.02 125.39,239.96 125.39,239.05 125.55,238.89 125.79,238.89 125.96,239.05 125.96,239.96 126.02,240.02 126.11,240.02 126.17,239.96 126.17,239.05 126.34,238.89 126.58,238.89 126.75,239.05 126.75,239.96 126.81,240.02 126.9,240.02 126.96,239.96 126.96,239.05 127.13,238.89 127.37,238.89 127.53,239.05 127.53,239.96 127.6,240.02 127.69,240.02 127.75,239.96 127.75,239.05 127.92,238.89 128.15,238.89 128.32,239.05 128.32,239.96 128.38,240.02 128.47,240.02 128.54,239.96 128.54,239.05 128.7,238.89 128.94,238.89 129.11,239.05 129.11,239.96 129.17,240.02 129.26,240.02 129.32,239.96 129.32,239.05 129.49,238.89 129.73,238.89 129.9,239.05 129.9,239.96 129.96,240.02 130.05,240.02 130.11,239.96 130.11,239.05 130.28,238.89 130.52,238.89 130.68,239.05 130.68,239.96 130.75,240.02 130.84,240.02 130.9,239.96 130.9,239.05 131.07,238.89 131.3,238.89 131.47,239.05 131.47,239.96 131.53,240.02 131.62,240.02 131.69,239.96 131.69,239.05 131.85,238.89 132.09,238.89 132.26,239.05 132.26,239.96 132.32,240.02 132.41,240.02 132.47,239.96 132.47,239.05 132.64,238.89 132.88,238.89 133.05,239.05 133.05,239.96 133.11,240.02 133.2,240.02 133.26,239.96 133.26,239.05 133.43,238.89 133.66,238.89 133.83,239.05 133.83,239.96 133.9,240.02 134.83,240.02 134.87,239.98 135.72,239.98 135.78,239.92 135.78,238.67 135.95,238.51 136.18,238.51 136.35,238.67 136.35,239.92 136.42,239.98 136.5,239.98 136.57,239.92 136.57,238.67 136.74,238.51 136.97,238.51 137.14,238.67 137.14,239.92 137.2,239.98 137.29,239.98 137.36,239.92 137.36,238.67 137.52,238.51 137.76,238.51 137.93,238.67 137.93,239.92 137.99,239.98 138.08,239.98 138.14,239.92 138.14,238.67 138.31,238.51 138.55,238.51 138.71,238.67 138.71,239.92 138.78,239.98 138.87,239.98 138.93,239.92 138.93,238.67 139.1,238.51 139.33,238.51 139.5,238.67 139.5,239.92 139.57,239.98 139.65,239.98 139.72,239.92 139.72,238.67 139.89,238.51 140.12,238.51 140.29,238.67 140.29,239.92 140.35,239.98 140.44,239.98 140.51,239.92 140.51,238.67 140.67,238.51 140.91,238.51 141.08,238.67 141.08,239.92 141.14,239.98 141.23,239.98 141.29,239.92 141.29,238.67 141.46,238.51 141.7,238.51 141.86,238.67 141.86,239.92 141.93,239.98 142.02,239.98 142.08,239.92 142.08,238.67 142.25,238.51 142.48,238.51 142.65,238.67 142.65,239.92 142.71,239.98 142.8,239.98 142.87,239.92 142.87,238.67 143.04,238.51 143.27,238.51 143.44,238.67 143.44,239.92 143.5,239.98 143.59,239.98 143.65,239.92 143.65,238.67 143.82,238.51 144.06,238.51 144.23,238.67 144.23,239.92 144.29,239.98 144.38,239.98 144.44,239.92 144.44,238.67 144.61,238.51 144.85,238.51 145.01,238.67 145.01,239.92 145.08,239.98 145.17,239.98 145.23,239.92 145.23,238.67 145.4,238.51 145.63,238.51 145.8,238.67 145.8,239.92 145.86,239.98 145.95,239.98 146.02,239.92 146.02,238.67 146.18,238.51 146.42,238.51 146.59,238.67 146.59,239.92 146.65,239.98 146.74,239.98 146.8,239.92 146.8,238.67 146.97,238.51 147.21,238.51 147.38,238.67 147.38,239.92 147.44,239.98 147.53,239.98 147.59,239.92 147.59,238.67 147.76,238.51 148,238.51 148.16,238.67 148.16,239.92 148.23,239.98 148.32,239.98 148.38,239.92 148.38,238.67 148.55,238.51 148.78,238.51 148.95,238.67 148.95,239.92 149.01,239.98 149.1,239.98 149.17,239.92 149.17,238.67 149.33,238.51 149.57,238.51 149.74,238.67 149.74,239.92 149.8,239.98 149.89,239.98 149.95,239.92 149.95,238.67 150.12,238.51 150.36,238.51 150.53,238.67 150.53,239.92 150.59,239.98 150.68,239.98 150.74,239.92 150.74,238.67 150.91,238.51 151.15,238.51 151.31,238.67 151.31,239.92 151.38,239.98 151.47,239.98 151.53,239.92 151.53,238.67 151.7,238.51 151.93,238.51 152.1,238.67 152.1,239.92 152.16,239.98 152.25,239.98 152.32,239.92 152.32,238.67 152.48,238.51 152.72,238.51 152.89,238.67 152.89,239.92 152.95,239.98 153.04,239.98 153.1,239.92 153.1,238.67 153.27,238.51 153.51,238.51 153.68,238.67 153.68,239.92 153.74,239.98 153.83,239.98 153.89,239.92 153.89,238.67 154.06,238.51 154.29,238.51 154.46,238.67 154.46,239.92 154.53,239.98 154.61,239.98 154.68,239.92 154.68,238.67 154.85,238.51 155.08,238.51 155.25,238.67 155.25,239.92 155.31,239.98 155.4,239.98 155.47,239.92 155.47,238.67 155.63,238.51 155.87,238.51 156.04,238.67 156.04,239.92 156.1,239.98 156.19,239.98 156.25,239.92 156.25,238.67 156.42,238.51 156.66,238.51 156.82,238.67 156.82,239.92 156.89,239.98 156.98,239.98 157.04,239.92 157.04,238.67 157.21,238.51 157.44,238.51 157.61,238.67 157.61,239.92 157.68,239.98 157.76,239.98 157.83,239.92 157.83,238.67 158,238.51 158.23,238.51 158.4,238.67 158.4,239.92 158.46,239.98 158.55,239.98 158.62,239.92 158.62,238.67 158.78,238.51 159.02,238.51 159.19,238.67 159.19,239.92 159.25,239.98 159.34,239.98 159.4,239.92 159.4,238.67 159.57,238.51 159.81,238.51 159.97,238.67 159.97,239.92 160.04,239.98 160.13,239.98 160.19,239.92 160.19,238.67 160.36,238.51 160.59,238.51 160.76,238.67 160.76,239.92 160.83,239.98 160.91,239.98 160.98,239.92 160.98,238.67 161.15,238.51 161.38,238.51 161.55,238.67 161.55,239.92 161.61,239.98 161.7,239.98 161.76,239.92 161.76,238.67 161.93,238.51 162.17,238.51 162.34,238.67 162.34,239.92 162.4,239.98 162.49,239.98 162.55,239.92 162.55,238.67 162.72,238.51 162.96,238.51 163.12,238.67 163.12,239.92 163.19,239.98 163.28,239.98 163.34,239.92 163.34,238.67 163.51,238.51 163.74,238.51 163.91,238.67 163.91,239.92 163.97,239.98 164.06,239.98 164.13,239.92 164.13,238.67 164.29,238.51 164.53,238.51 164.7,238.67 164.7,239.92 164.76,239.98 164.85,239.98 164.91,239.92 164.91,238.67 165.08,238.51 165.32,238.51 165.49,238.67 165.49,239.92 165.55,239.98 165.64,239.98 165.7,239.92 165.7,238.67 165.87,238.51 166.11,238.51 166.27,238.67 166.27,239.92 166.34,239.98 166.43,239.98 166.49,239.92 166.49,238.67 166.66,238.51 166.89,238.51 167.06,238.67 167.06,239.92 167.12,239.98 167.21,239.98 167.28,239.92 167.28,238.67 167.44,238.51 167.68,238.51 167.85,238.67 167.85,239.92 167.91,239.98 168,239.98 168.06,239.92 168.06,238.67 168.23,238.51 168.47,238.51 168.64,238.67 168.64,239.92 168.7,239.98 168.79,239.98 168.85,239.92 168.85,238.67 169.02,238.51 169.26,238.51 169.42,238.67 169.42,239.92 169.49,239.98 169.58,239.98 169.64,239.92 169.64,238.67 169.81,238.51 170.04,238.51 170.21,238.67 170.21,239.92 170.27,239.98 170.36,239.98 170.43,239.92 170.43,238.67 170.59,238.51 170.83,238.51 171,238.67 171,239.92 171.06,239.98 171.15,239.98 171.21,239.92 171.21,238.67 171.38,238.51 171.62,238.51 171.79,238.67 171.79,239.92 171.85,239.98 171.94,239.98 172,239.92 172,238.67 172.17,238.51 172.41,238.51 172.57,238.67 172.57,239.92 172.64,239.98 172.73,239.98 172.79,239.92 172.79,238.67 172.96,238.51 173.19,238.51 173.36,238.67 173.36,239.92 173.42,239.98 173.51,239.98 173.58,239.92 173.58,238.67 173.74,238.51 173.98,238.51 174.15,238.67 174.15,239.92 174.21,239.98 174.3,239.98 174.36,239.92 174.36,238.67 174.53,238.51 174.77,238.51 174.93,238.67 174.93,239.92 175,239.98 175.09,239.98 175.15,239.92 175.15,238.67 175.32,238.51 175.55,238.51 175.72,238.67 175.72,239.92 175.79,239.98 175.87,239.98 175.94,239.92 175.94,238.67 176.11,238.51 176.34,238.51 176.51,238.67 176.51,239.92 176.57,239.98 176.66,239.98 176.73,239.92 176.73,238.67 176.89,238.51 177.13,238.51 177.3,238.67 177.3,239.92 177.36,239.98 177.45,239.98 177.51,239.92 177.51,238.67 177.68,238.51 177.92,238.51 178.08,238.67 178.08,239.92 178.15,239.98 178.24,239.98 178.3,239.92 178.3,238.67 178.47,238.51 178.7,238.51 178.87,238.67 178.87,239.92 178.94,239.98 179.02,239.98 179.09,239.92 179.09,238.67 179.26,238.51 179.49,238.51 179.66,238.67 179.66,239.92 179.72,239.98 179.81,239.98 179.88,239.92 179.88,238.67 180.04,238.51 180.28,238.51 180.45,238.67 180.45,239.92 180.51,239.98 180.6,239.98 180.66,239.92 180.66,238.67 180.83,238.51 181.07,238.51 181.23,238.67 181.23,239.92 181.3,239.98 181.39,239.98 181.45,239.92 181.45,238.67 181.62,238.51 181.85,238.51 182.02,238.67 182.02,239.92 182.08,239.98 182.17,239.98 182.24,239.92 182.24,238.67 182.41,238.51 182.64,238.51 182.81,238.67 182.81,239.92 182.87,239.98 182.96,239.98 183.02,239.92 183.02,238.67 183.19,238.51 183.43,238.51 183.6,238.67 183.6,239.92 183.66,239.98 183.75,239.98 183.81,239.92 183.81,238.67 183.98,238.51 184.22,238.51 184.38,238.67 184.38,239.92 184.45,239.98 184.54,239.98 184.6,239.92 184.6,238.67 184.77,238.51 185,238.51 185.17,238.67 185.17,239.92 185.23,239.98 185.32,239.98 185.39,239.92 185.39,238.67 185.55,238.51 185.79,238.51 185.96,238.67 185.96,239.92 186.02,239.98 186.11,239.98 186.17,239.92 186.17,238.67 186.34,238.51 186.58,238.51 186.75,238.67 186.75,239.92 186.81,239.98 186.9,239.98 186.96,239.92 186.96,238.67 187.13,238.51 187.37,238.51 187.53,238.67 187.53,239.92 187.6,239.98 187.69,239.98 187.75,239.92 187.75,238.67 187.92,238.51 188.15,238.51 188.32,238.67 188.32,239.92 188.38,239.98 188.47,239.98 188.54,239.92 188.54,238.67 188.7,238.51 188.94,238.51 189.11,238.67 189.11,239.92 189.17,239.98 189.26,239.98 189.32,239.92 189.32,238.67 189.49,238.51 189.73,238.51 189.9,238.67 189.9,239.92 189.96,239.98 190.05,239.98 190.11,239.92 190.11,238.67 190.28,238.51 190.52,238.51 190.68,238.67 190.68,239.92 190.75,239.98 190.84,239.98 190.9,239.92 190.9,238.67 191.07,238.51 191.3,238.51 191.47,238.67 191.47,239.92 191.53,239.98 191.62,239.98 191.69,239.92 191.69,238.67 191.85,238.51 192.09,238.51 192.26,238.67 192.26,239.92 192.32,239.98 192.41,239.98 192.47,239.92 192.47,238.67 192.64,238.51 192.88,238.51 193.05,238.67 193.05,239.92 193.11,239.98 195.38,239.98 196.29,239.07 196.29,235.02 193.93,232.66 193.93,231.27 194.49,230.71 197.33,230.71 197.49,230.55 197.71,229.77 v1(197.34,229.14)